# Altium PCB KlusterLab r2.0.PcbDoc (part 7 of 22)
Units mm, origin at the board's own origin, x right, y up, seen from the top; angles counter-clockwise.
Board outline 232 x 250 mm, 12 copper layers (L1 Top, L2 Inner1 (GND), L3 Inner2 (Sig), L4 Inner3 (GND), L5 Inner4 (PWR), L6 Inner5 (PWR), L7 Inner6 (PWR), L8 Inner7 (PWR), L9 Inner8 (GND), L10 Inner9 (Sig), L11 Inner10 (GND), L12 Bottom), stack 1.614 mm thick; 1169 components, 852 nets, 4679 pads, 5115 vias.
Unrouted connection lines stored in the file: 1.
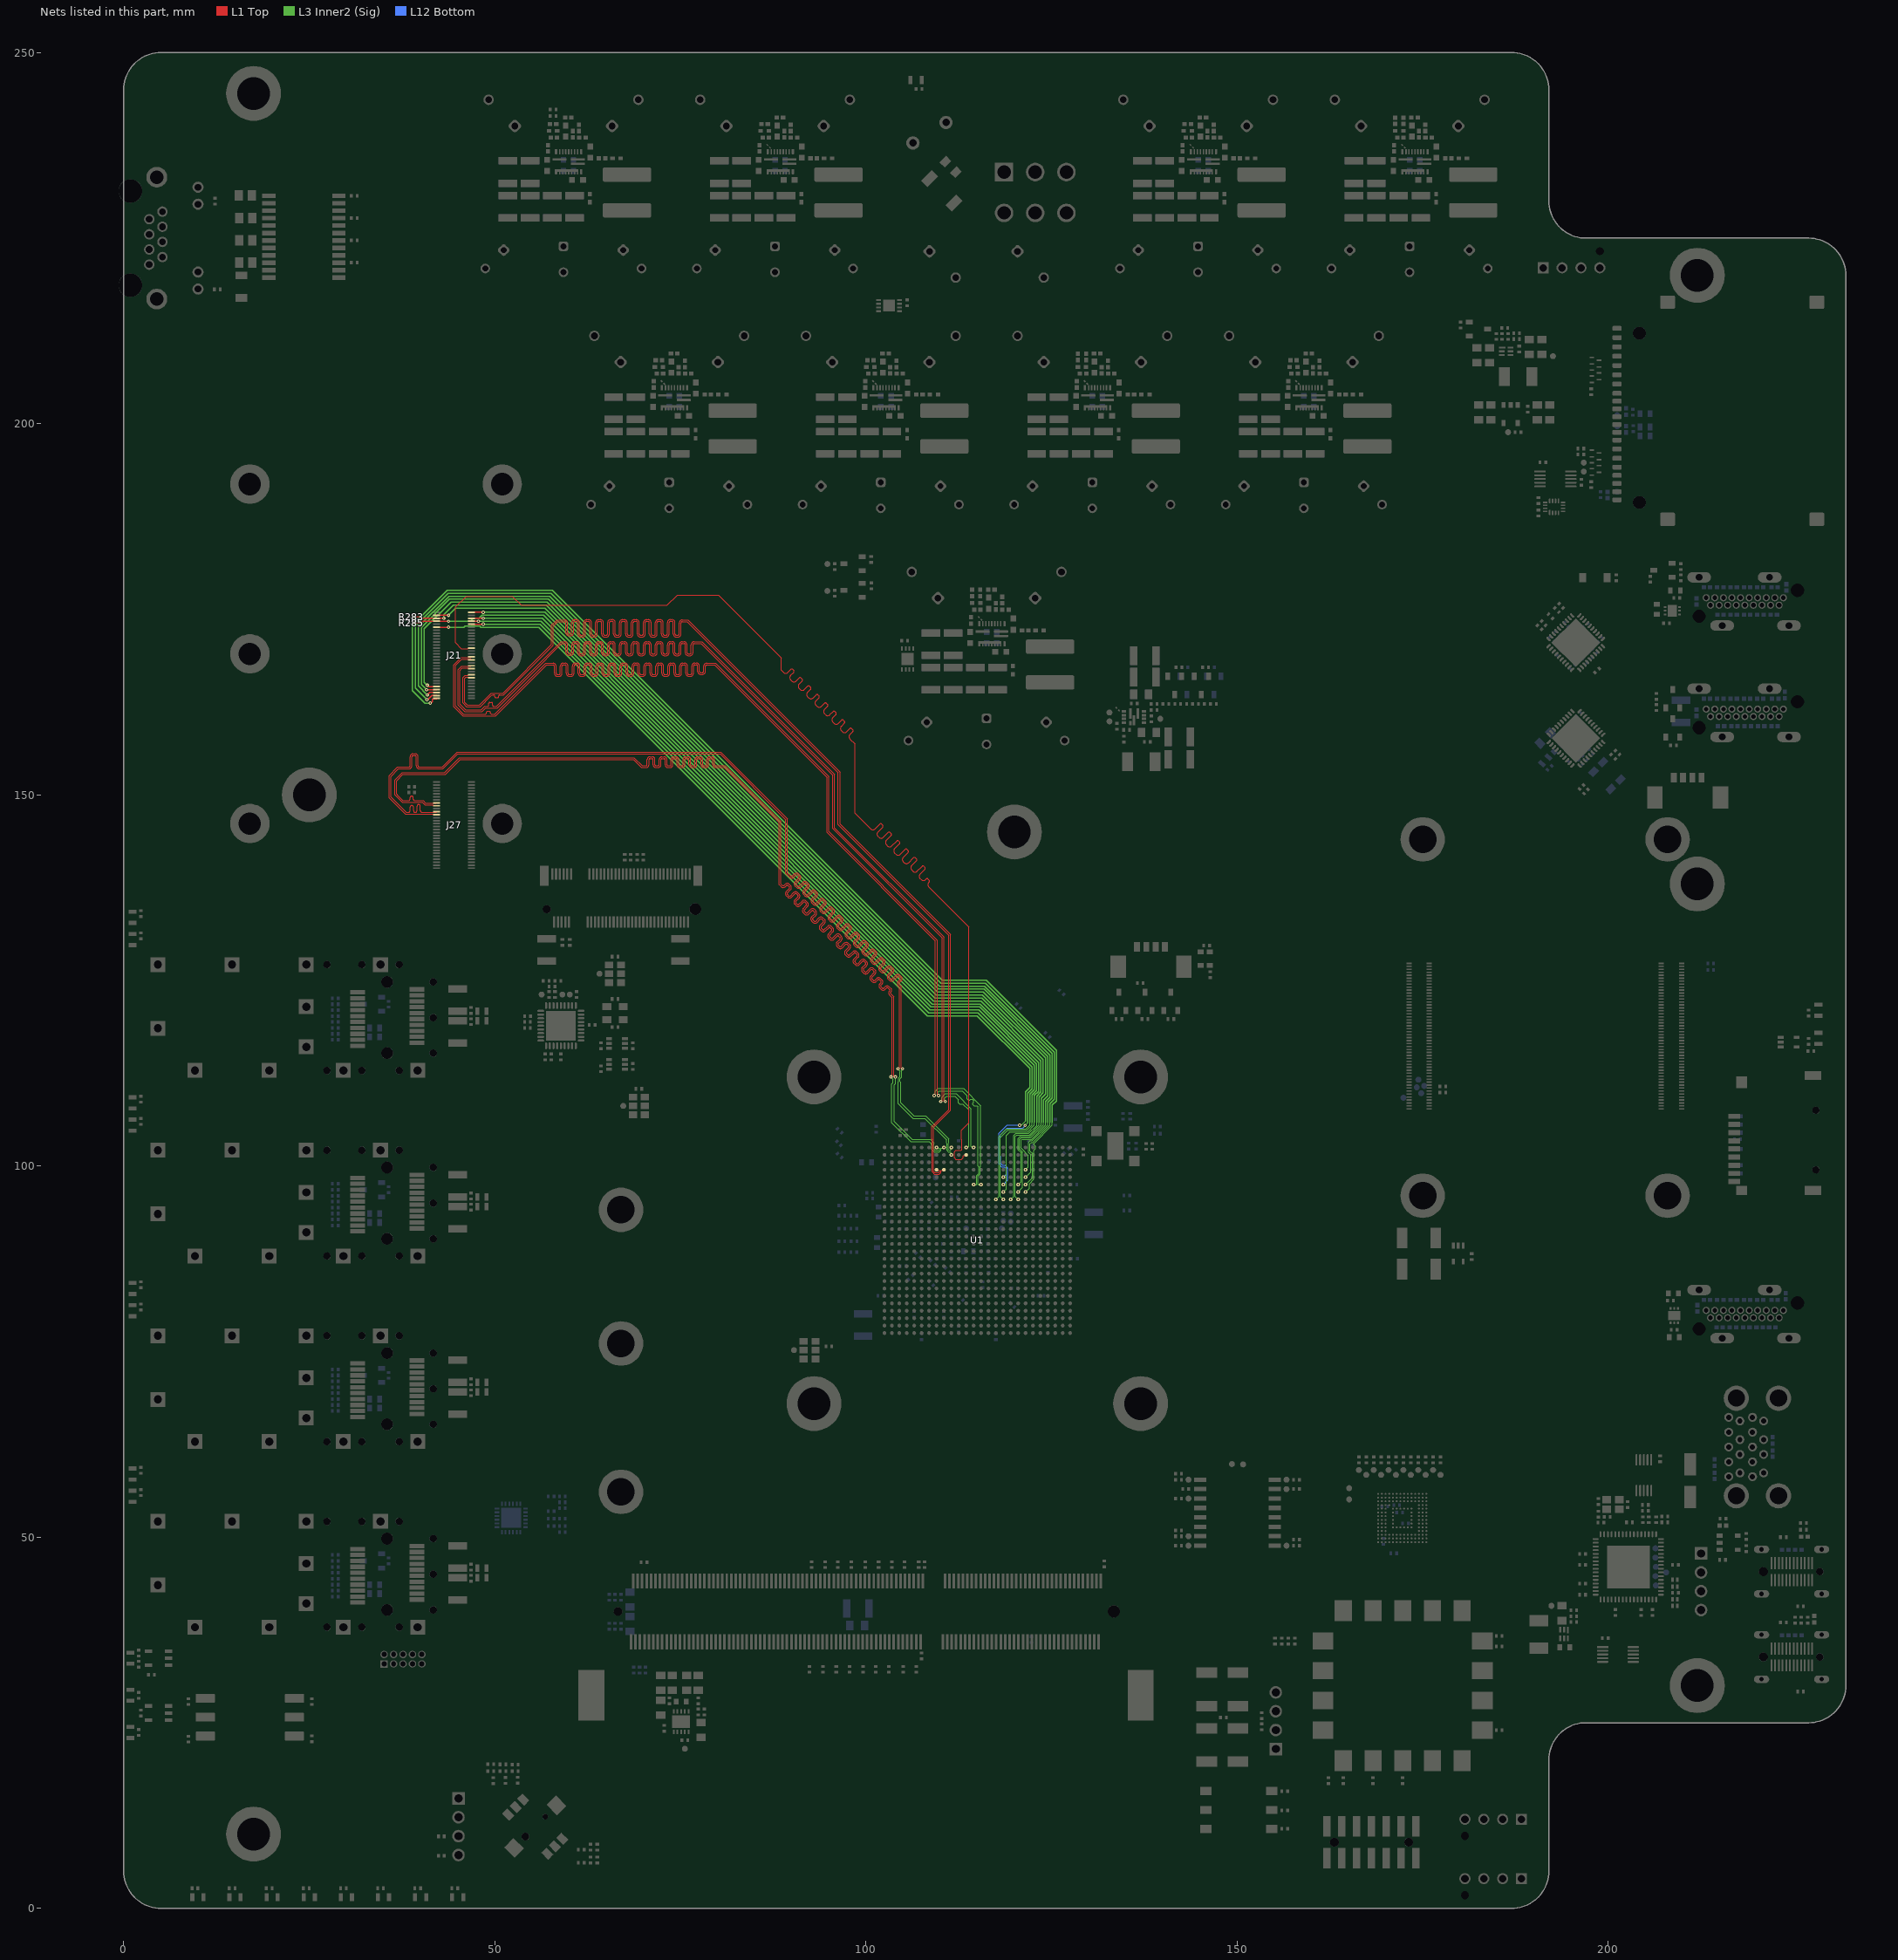
[diagram p17: the nets of this part, all layers, seen from the top]

## Via types
v1: diameter 0.45, hole 0.2, L1 Top to L12 Bottom, tented both sides, 4200 vias
v2: diameter 0.6, hole 0.3, L1 Top to L12 Bottom, tented both sides, 908 vias
v3: diameter 0.4, hole 0.2, L1 Top to L12 Bottom, tented both sides, 7 vias

## Nets (pads, with @x,y where several pads share a name; then routed paths per layer and width w, separated by ;. In a path a pad name is that pad's centre, name@x,y a point inside that pad or via, vN(x,y) a via of type N, cw(c..) or ccw(c..) an arc to the next point about the centre after c; other vN are vias at no path point) (continued)
CRUVI_A_8_P: J21.26 U1.B12 | length 168.3
  L1 Top w0.1: 112.88,103.579 112.9,103.559 112.9,102.2 112.8,102.1 112.117,102.1 111.9,101.883 111.9,101.117 112.117,100.9 112.883,100.9 113.1,101.117 113.1,101.365 113.159,101.423 113.423,101.423 U1.B12@113.5,101.5
  L1 Top w0.114: J21.26@46.835,169.79 46.777,169.732 46.382,169.732 46.36,169.71 45.469,169.71 44.7,170.479 44.7,175.297 46.162,176.759 52.356,176.759 53.562,175.553 73.228,175.553 74.584,176.909 80.125,176.909 88.576,168.458 88.576,166.808 88.766,166.618 88.891,166.494 ccw(c89.181,166.783) 89.471,166.493 89.872,166.894 cw(c89.991,166.774) 90.111,166.893 90.27,166.735 cw(c90.151,166.614) 90.271,166.495 89.847,166.072 ccw(c90.137,165.782) 89.847,165.492 90.007,165.333 ccw(c90.297,165.622) 90.587,165.333 ; 90.587,165.333 91.01,165.756 cw(c91.129,165.636) 91.249,165.755 91.408,165.597 cw(c91.289,165.477) 91.409,165.357 90.985,164.934 ccw(c91.275,164.644) 90.985,164.354 91.145,164.195 ccw(c91.435,164.485) 91.725,164.195 ; 91.725,164.195 92.148,164.618 cw(c92.267,164.498) 92.387,164.617 92.545,164.459 cw(c92.427,164.339) 92.547,164.219 92.123,163.796 ccw(c92.413,163.506) 92.123,163.216 92.283,163.057 ccw(c92.573,163.347) 92.862,163.057 ; 92.863,163.057 93.285,163.48 cw(c93.405,163.36) 93.525,163.48 93.683,163.321 ; 93.684,163.321 cw(c93.565,163.201) 93.684,163.082 93.261,162.658 ccw(c93.551,162.368) 93.261,162.078 93.421,161.919 ccw(c93.71,162.209) 94,161.919 ; 94.001,161.92 94.423,162.342 cw(c94.543,162.222) 94.663,162.342 94.821,162.183 ; 94.822,162.183 cw(c94.702,162.063) 94.822,161.944 94.399,161.52 ccw(c94.689,161.23) 94.399,160.941 94.558,160.781 ccw(c94.848,161.071) 95.138,160.781 ; 95.139,160.782 95.561,161.204 cw(c95.681,161.085) 95.801,161.204 95.959,161.045 ; 95.959,161.045 cw(c95.84,160.925) 95.96,160.806 95.537,160.382 ccw(c95.827,160.093) 95.537,159.803 95.696,159.643 ccw(c95.986,159.933) 96.276,159.643 ; 96.277,159.644 96.699,160.066 cw(c96.819,159.947) 96.939,160.066 97.097,159.908 ; 97.097,159.907 cw(c96.978,159.787) 97.098,159.668 96.675,159.245 ccw(c96.965,158.955) 96.675,158.665 96.834,158.505 ccw(c97.124,158.795) 97.414,158.505 ; 97.414,158.506 97.837,158.928 cw(c97.957,158.809) 98.077,158.928 98.235,158.77 ; 98.235,158.769 cw(c98.116,158.649) 98.236,158.53 97.835,158.129 ccw(c98.125,157.839) 97.836,157.549 98.509,156.875 98.509,156.75 98.509,147.554 100.512,145.551 100.637,145.426 ccw(c100.927,145.716) 101.217,145.426 101.861,146.069 ; 101.861,146.07 cw(c101.981,145.95) 102.1,146.07 102.26,145.91 cw(c102.14,145.791) 102.26,145.671 101.564,144.976 101.564,144.971 ccw(c101.889,144.721) 101.6,144.431 101.759,144.272 ccw(c102.049,144.562) 102.339,144.272 102.999,144.932 ; 102.999,144.932 cw(c103.119,144.812) 103.238,144.932 103.398,144.773 cw(c103.278,144.653) 103.398,144.533 102.702,143.838 102.702,143.833 ccw(c103.027,143.583) 102.738,143.293 102.896,143.134 ccw(c103.187,143.424) 103.477,143.134 104.136,143.794 ; 104.137,143.794 cw(c104.257,143.675) 104.376,143.794 104.536,143.635 cw(c104.416,143.515) 104.536,143.395 103.84,142.7 103.84,142.695 ccw(c104.165,142.445) 103.876,142.155 104.034,141.997 ccw(c104.325,142.286) 104.615,141.996 105.274,142.656 ; 105.275,142.656 cw(c105.394,142.537) 105.514,142.656 105.673,142.497 cw(c105.554,142.377) 105.673,142.258 104.978,141.562 104.978,141.557 ccw(c105.303,141.307) 105.014,141.017 105.172,140.859 ccw(c105.463,141.148) 105.752,140.858 106.412,141.518 ; 106.413,141.518 cw(c106.532,141.399) 106.652,141.518 106.811,141.359 cw(c106.692,141.239) 106.811,141.12 106.116,140.424 106.116,140.419 ccw(c106.441,140.17) 106.152,139.879 106.31,139.721 ccw(c106.6,140.01) 106.89,139.72 107.55,140.38 ; 107.551,140.381 cw(c107.67,140.261) 107.79,140.381 107.949,140.221 cw(c107.83,140.101) 107.949,139.982 107.254,139.286 107.254,139.281 ccw(c107.579,139.032) 107.289,138.741 107.448,138.583 ccw(c107.738,138.872) 108.028,138.582 108.11,138.664 cw(c108.23,138.545) 108.349,138.664 108.509,138.505 cw(c108.389,138.385) 108.509,138.266 108.443,138.2 ccw(c108.733,137.91) 108.444,137.62 109.969,136.094 113.853,132.21 113.853,112 113.853,105.793 112.88,104.82 112.88,103.579
CRUVI_A_9_N: J21.34 U1.F13 | length 169.3
  L1 Top w0.114: J21.34@46.835,168.19 46.777,168.248 46.382,168.248 46.36,168.27 45.54,168.27 44.7,167.429 44.7,161.963 45.788,160.875 48.558,160.875 48.778,160.875 48.881,160.978 48.881,161.167 48.983,161.27 49.292,161.27 49.395,161.167 49.395,160.978 49.497,160.875 50.022,160.875 50.068,160.921 56.868,167.721 56.872,167.725 57.85,167.725 cw(c57.85,167.315) 58.26,167.315 58.26,166.379 ccw(c58.429,166.379) 58.429,166.21 58.655,166.21 ccw(c58.655,166.379) 58.824,166.379 58.824,167.339 cw(c59.234,167.339) 59.234,167.749 59.459,167.749 cw(c59.459,167.339) 59.869,167.339 59.869,166.379 ccw(c60.039,166.379) 60.039,166.21 60.264,166.21 ccw(c60.264,166.379) 60.433,166.379 60.433,167.339 cw(c60.843,167.339) 60.843,167.749 61.069,167.749 cw(c61.069,167.339) 61.479,167.339 61.479,166.379 ccw(c61.648,166.379) 61.648,166.21 61.873,166.21 ccw(c61.873,166.379) 62.042,166.379 62.042,167.339 cw(c62.452,167.339) 62.452,167.749 62.678,167.749 cw(c62.678,167.339) 63.088,167.339 63.088,166.379 ccw(c63.257,166.379) 63.257,166.21 63.482,166.21 ccw(c63.482,166.379) 63.652,166.379 63.652,167.339 cw(c64.062,167.339) 64.062,167.749 64.287,167.749 cw(c64.287,167.339) 64.697,167.339 64.697,166.379 ccw(c64.866,166.379) 64.866,166.21 65.092,166.21 ccw(c65.092,166.379) 65.261,166.379 65.261,167.339 cw(c65.671,167.339) 65.671,167.749 65.896,167.749 cw(c65.896,167.339) 66.306,167.339 66.306,166.379 ccw(c66.475,166.379) 66.475,166.21 66.701,166.21 ccw(c66.701,166.379) 66.87,166.379 66.87,167.339 cw(c67.28,167.339) 67.28,167.749 67.505,167.749 cw(c67.505,167.339) 67.915,167.339 67.915,166.379 ccw(c68.084,166.379) 68.084,166.21 68.31,166.21 ccw(c68.31,166.379) 68.479,166.379 68.479,167.339 cw(c68.889,167.339) 68.889,167.749 69.115,167.749 cw(c69.115,167.339) 69.525,167.339 69.525,166.379 ccw(c69.694,166.379) 69.694,166.21 69.919,166.21 ccw(c69.919,166.379) 70.088,166.379 70.088,167.339 cw(c70.498,167.339) 70.498,167.749 70.724,167.749 cw(c70.724,167.339) 71.134,167.339 71.134,166.379 ccw(c71.303,166.379) 71.303,166.21 71.528,166.21 ccw(c71.528,166.379) 71.698,166.379 71.698,167.339 cw(c72.107,167.339) 72.107,167.749 72.333,167.749 cw(c72.333,167.339) 72.743,167.339 72.743,166.379 ccw(c72.912,166.379) 72.912,166.21 73.138,166.21 ccw(c73.138,166.379) 73.307,166.379 73.307,167.339 cw(c73.717,167.339) 73.717,167.749 73.942,167.749 cw(c73.942,167.339) 74.352,167.339 74.352,166.379 ccw(c74.521,166.379) 74.521,166.21 74.747,166.21 ccw(c74.747,166.379) 74.916,166.379 74.916,167.339 cw(c75.326,167.339) 75.326,167.749 75.551,167.749 cw(c75.551,167.339) 75.961,167.339 75.961,166.379 ccw(c76.13,166.379) 76.13,166.21 76.356,166.21 ccw(c76.356,166.379) 76.525,166.379 76.525,167.339 cw(c76.935,167.339) 76.935,167.749 77.161,167.749 cw(c77.161,167.339) 77.571,167.339 77.571,166.644 ccw(c77.74,166.644) 77.74,166.475 77.965,166.475 ccw(c77.965,166.644) 78.134,166.644 78.134,167.315 cw(c78.544,167.315) 78.544,167.725 79.403,167.725 79.729,167.725 95,152.454 95,145.04 109.594,130.446 ; v1@109.6,109.481 109.6,130.446
  L3 Inner2 (Sig) w0.1: v1(109.782,109.5) 109.782,109.595 109.647,109.73 109.647,109.9 109.847,110.1 113,110.1 113.2,109.9 113.624,109.476 113.624,109.281 113.6,109.257 113.6,109.063 113.795,108.868 113.989,108.868 114.105,108.984 114.3,108.984 114.494,108.79 114.494,108.595 114.378,108.479 114.378,108.285 114.572,108.09 114.767,108.09 114.791,108.115 114.985,108.115 115.084,108.016 115.12,107.98 115.12,99.98 115.2,99.9 115.2,99.013 114.9,98.713 114.9,97.559 114.841,97.5 v1(114.5,97.5) v1@114.567,97.433
CRUVI_A_9_P: J21.32 U1.F14 | length 169.2
  L1 Top w0.114: J21.32@46.835,168.59 46.777,168.532 46.382,168.532 46.36,168.51 45.44,168.51 44.459,167.529 44.459,161.863 45.689,160.634 50.121,160.634 56.868,167.381 56.972,167.484 57.85,167.484 cw(c57.85,167.315) 58.019,167.315 58.019,166.379 ccw(c58.429,166.379) 58.429,165.969 58.655,165.969 ccw(c58.655,166.379) 59.065,166.379 59.065,167.339 cw(c59.234,167.339) 59.234,167.508 59.459,167.508 cw(c59.459,167.339) 59.629,167.339 59.629,166.379 ccw(c60.039,166.379) 60.039,165.969 60.264,165.969 ccw(c60.264,166.379) 60.674,166.379 60.674,167.339 cw(c60.843,167.339) 60.843,167.508 61.069,167.508 cw(c61.069,167.339) 61.238,167.339 61.238,166.379 ccw(c61.648,166.379) 61.648,165.969 61.873,165.969 ccw(c61.873,166.379) 62.283,166.379 62.283,167.339 cw(c62.452,167.339) 62.452,167.508 62.678,167.508 cw(c62.678,167.339) 62.847,167.339 62.847,166.379 ccw(c63.257,166.379) 63.257,165.969 63.482,165.969 ccw(c63.482,166.379) 63.892,166.379 63.892,167.339 cw(c64.062,167.339) 64.062,167.508 64.287,167.508 cw(c64.287,167.339) 64.456,167.339 64.456,166.379 ccw(c64.866,166.379) 64.866,165.969 65.092,165.969 ccw(c65.092,166.379) 65.502,166.379 65.502,167.339 cw(c65.671,167.339) 65.671,167.508 65.896,167.508 cw(c65.896,167.339) 66.065,167.339 66.065,166.379 ccw(c66.475,166.379) 66.475,165.969 66.701,165.969 ccw(c66.701,166.379) 67.111,166.379 67.111,167.339 cw(c67.28,167.339) 67.28,167.508 67.505,167.508 cw(c67.505,167.339) 67.675,167.339 67.675,166.379 ccw(c68.084,166.379) 68.084,165.969 68.31,165.969 ccw(c68.31,166.379) 68.72,166.379 68.72,167.339 cw(c68.889,167.339) 68.889,167.508 69.115,167.508 cw(c69.115,167.339) 69.284,167.339 69.284,166.379 ccw(c69.694,166.379) 69.694,165.969 69.919,165.969 ccw(c69.919,166.379) 70.329,166.379 70.329,167.339 cw(c70.498,167.339) 70.498,167.508 70.724,167.508 cw(c70.724,167.339) 70.893,167.339 70.893,166.379 ccw(c71.303,166.379) 71.303,165.969 71.528,165.969 ccw(c71.528,166.379) 71.938,166.379 71.938,167.339 cw(c72.107,167.339) 72.107,167.508 72.333,167.508 cw(c72.333,167.339) 72.502,167.339 72.502,166.379 ccw(c72.912,166.379) 72.912,165.969 73.138,165.969 ccw(c73.138,166.379) 73.548,166.379 73.548,167.339 cw(c73.717,167.339) 73.717,167.508 73.942,167.508 cw(c73.942,167.339) 74.111,167.339 74.111,166.379 ccw(c74.521,166.379) 74.521,165.969 74.747,165.969 ccw(c74.747,166.379) 75.157,166.379 75.157,167.339 cw(c75.326,167.339) 75.326,167.508 75.551,167.508 cw(c75.551,167.339) 75.721,167.339 75.721,166.379 ccw(c76.13,166.379) 76.13,165.969 76.356,165.969 ccw(c76.356,166.379) 76.766,166.379 76.766,167.339 cw(c76.935,167.339) 76.935,167.508 77.161,167.508 cw(c77.161,167.339) 77.33,167.339 77.33,166.644 ccw(c77.74,166.644) 77.74,166.234 77.965,166.234 ccw(c77.965,166.644) 78.375,166.644 78.375,167.315 cw(c78.544,167.315) 78.544,167.484 79.403,167.484 79.629,167.484 94.759,152.354 94.759,144.94 109.353,130.346 109.353,116.2 109.353,112.2 v1@109.353,109.5
  L3 Inner2 (Sig) w0.1: v1(109.182,109.5) 109.182,109.595 109.317,109.73 109.317,110.037 109.711,110.43 113.137,110.43 115.45,108.117 115.45,99.95 115.4,99.9 115.4,98.93 115.1,98.63 115.1,97.559 115.159,97.5 v1(115.5,97.5)
CRUVI_A_10_N: J21.40 U1.A12 | length 159.8
  L1 Top w0.114: J21.40@46.835,166.99 46.777,167.048 46.382,167.048 46.36,167.07 45.6,167.07 45.3,166.77 45.3,162.211 46.037,161.475 48.2,161.475 48.65,161.925 48.797,161.925 49.039,161.925 ccw(c49.039,162.079) 49.193,162.079 49.193,162.313 cw(c49.347,162.313) 49.347,162.467 49.553,162.467 cw(c49.553,162.313) 49.707,162.313 49.707,162.079 ccw(c49.861,162.079) 49.861,161.925 50.224,161.925 50.355,162.056 55.189,166.891 58.596,170.298 58.924,170.625 59.391,170.625 cw(c59.391,170.215) 59.801,170.215 59.801,169.233 ccw(c59.97,169.233) 59.97,169.064 60.195,169.064 ccw(c60.195,169.233) 60.365,169.233 60.365,170.225 cw(c60.774,170.225) 60.774,170.635 61,170.635 cw(c61,170.225) 61.41,170.225 61.41,169.17 ccw(c61.579,169.17) 61.579,169 61.805,169 ccw(c61.805,169.17) 61.974,169.17 61.974,170.225 cw(c62.384,170.225) 62.384,170.635 62.609,170.635 cw(c62.609,170.225) 63.019,170.225 63.019,169.17 ccw(c63.188,169.17) 63.188,169 63.414,169 ccw(c63.414,169.17) 63.583,169.17 63.583,170.225 cw(c63.993,170.225) 63.993,170.635 64.218,170.635 cw(c64.218,170.225) 64.628,170.225 64.628,169.17 ccw(c64.797,169.17) 64.797,169 65.023,169 ccw(c65.023,169.17) 65.192,169.17 65.192,170.225 cw(c65.602,170.225) 65.602,170.635 65.828,170.635 cw(c65.828,170.225) 66.238,170.225 66.238,169.17 ccw(c66.407,169.17) 66.407,169 66.632,169 ccw(c66.632,169.17) 66.801,169.17 66.801,170.225 cw(c67.211,170.225) 67.211,170.635 67.437,170.635 cw(c67.437,170.225) 67.847,170.225 67.847,169.17 ccw(c68.016,169.17) 68.016,169 68.241,169 ccw(c68.241,169.17) 68.411,169.17 68.411,170.225 cw(c68.82,170.225) 68.82,170.635 69.046,170.635 cw(c69.046,170.225) 69.456,170.225 69.456,169.17 ccw(c69.625,169.17) 69.625,169 69.851,169 ccw(c69.851,169.17) 70.02,169.17 70.02,170.225 cw(c70.43,170.225) 70.43,170.635 70.655,170.635 cw(c70.655,170.225) 71.065,170.225 71.065,169.17 ccw(c71.234,169.17) 71.234,169 71.46,169 ccw(c71.46,169.17) 71.629,169.17 71.629,170.225 cw(c72.039,170.225) 72.039,170.635 72.264,170.635 cw(c72.264,170.225) 72.674,170.225 72.674,169.17 ccw(c72.843,169.17) 72.843,169 73.069,169 ccw(c73.069,169.17) 73.238,169.17 73.238,170.225 cw(c73.648,170.225) 73.648,170.635 73.874,170.635 cw(c73.874,170.225) 74.283,170.225 74.283,169.17 ccw(c74.453,169.17) 74.453,169 74.678,169 ccw(c74.678,169.17) 74.847,169.17 74.847,170.225 cw(c75.257,170.225) 75.257,170.635 75.483,170.635 cw(c75.483,170.225) 75.893,170.225 75.893,169.17 ccw(c76.062,169.17) 76.062,169 76.287,169 ccw(c76.287,169.17) 76.456,169.17 76.456,170.215 cw(c76.866,170.215) 76.866,170.625 77.044,170.625 77.889,170.625 95.75,152.764 95.75,145.563 110.494,130.819 v1@110.494,108.7
  L3 Inner2 (Sig) w0.1: v1(110.682,108.7) 110.682,108.795 110.547,108.93 110.547,109.1 110.847,109.4 112,109.4 112.045,109.355 112.469,108.931 112.469,108.736 112.439,108.706 112.439,108.512 112.634,108.317 112.828,108.317 112.858,108.347 113.053,108.347 113.781,107.619 113.835,107.565 113.835,102.626 113.776,102.567 113.567,102.567 v1(113.5,102.5)
CRUVI_A_10_P: J21.38 U1.A13 | length 160.2
  L1 Top w0.114: J21.38@46.835,167.39 46.777,167.332 46.382,167.332 46.36,167.31 45.5,167.31 45.059,166.87 45.059,162.112 45.937,161.234 48.299,161.234 48.752,161.687 50.326,161.687 55.43,166.791 58.596,169.957 59.023,170.384 59.391,170.384 cw(c59.391,170.215) 59.56,170.215 59.56,169.233 ccw(c59.97,169.233) 59.97,168.823 60.195,168.823 ccw(c60.195,169.233) 60.605,169.233 60.605,170.225 cw(c60.774,170.225) 60.774,170.394 61,170.394 cw(c61,170.225) 61.169,170.225 61.169,169.17 ccw(c61.579,169.17) 61.579,168.76 61.805,168.76 ccw(c61.805,169.17) 62.215,169.17 62.215,170.225 cw(c62.384,170.225) 62.384,170.394 62.609,170.394 cw(c62.609,170.225) 62.778,170.225 62.778,169.17 ccw(c63.188,169.17) 63.188,168.76 63.414,168.76 ccw(c63.414,169.17) 63.824,169.17 63.824,170.225 cw(c63.993,170.225) 63.993,170.394 64.218,170.394 cw(c64.218,170.225) 64.388,170.225 64.388,169.17 ccw(c64.797,169.17) 64.797,168.76 65.023,168.76 ccw(c65.023,169.17) 65.433,169.17 65.433,170.225 cw(c65.602,170.225) 65.602,170.394 65.828,170.394 cw(c65.828,170.225) 65.997,170.225 65.997,169.17 ccw(c66.407,169.17) 66.407,168.76 66.632,168.76 ccw(c66.632,169.17) 67.042,169.17 67.042,170.225 cw(c67.211,170.225) 67.211,170.394 67.437,170.394 cw(c67.437,170.225) 67.606,170.225 67.606,169.17 ccw(c68.016,169.17) 68.016,168.76 68.241,168.76 ccw(c68.241,169.17) 68.651,169.17 68.651,170.225 cw(c68.82,170.225) 68.82,170.394 69.046,170.394 cw(c69.046,170.225) 69.215,170.225 69.215,169.17 ccw(c69.625,169.17) 69.625,168.76 69.851,168.76 ccw(c69.851,169.17) 70.26,169.17 70.26,170.225 cw(c70.43,170.225) 70.43,170.394 70.655,170.394 cw(c70.655,170.225) 70.824,170.225 70.824,169.17 ccw(c71.234,169.17) 71.234,168.76 71.46,168.76 ccw(c71.46,169.17) 71.87,169.17 71.87,170.225 cw(c72.039,170.225) 72.039,170.394 72.264,170.394 cw(c72.264,170.225) 72.433,170.225 72.433,169.17 ccw(c72.843,169.17) 72.843,168.76 73.069,168.76 ccw(c73.069,169.17) 73.479,169.17 73.479,170.225 cw(c73.648,170.225) 73.648,170.394 73.874,170.394 cw(c73.874,170.225) 74.043,170.225 74.043,169.17 ccw(c74.453,169.17) 74.453,168.76 74.678,168.76 ccw(c74.678,169.17) 75.088,169.17 75.088,170.225 cw(c75.257,170.225) 75.257,170.394 75.483,170.394 cw(c75.483,170.225) 75.652,170.225 75.652,169.17 ccw(c76.062,169.17) 76.062,168.76 76.287,168.76 ccw(c76.287,169.17) 76.697,169.17 76.697,170.215 cw(c76.866,170.215) 76.866,170.384 77.044,170.384 77.79,170.384 95.509,152.665 95.509,145.463 110.253,130.719 v1@110.253,108.7
  L3 Inner2 (Sig) w0.1: v1(110.082,108.7) 110.082,108.795 110.217,108.93 110.217,109.237 110.711,109.73 112.137,109.73 114.165,107.702 114.165,102.626 114.224,102.567 114.433,102.567 v1(114.5,102.5)
CRUVI_A_11_N: J21.46 U1.D8 | length 168.4
  L1 Top w0.1: 109.12,103.62 109.1,103.6 109.1,99.3 109.3,99.1 109.8,99.1 109.9,99.2 109.9,99.365 109.841,99.423 109.577,99.423 U1.D8@109.5,99.5
  L1 Top w0.114: J21.46@46.835,165.79 46.777,165.848 46.382,165.848 46.36,165.87 46.1,165.87 45.935,165.705 45.935,162.475 46.3,162.11 47.935,162.11 49.536,163.711 51.096,163.711 57.634,170.25 57.634,172.838 58.371,173.575 58.786,173.575 59.386,173.575 cw(c59.386,173.165) 59.796,173.165 59.796,171.853 ccw(c59.965,171.853) 59.965,171.684 60.191,171.684 ccw(c60.191,171.853) 60.36,171.853 60.36,173.188 cw(c60.77,173.188) 60.77,173.598 60.995,173.598 cw(c60.995,173.188) 61.405,173.188 61.405,171.687 ccw(c61.574,171.687) 61.574,171.518 61.8,171.518 ccw(c61.8,171.687) 61.969,171.687 61.969,173.188 cw(c62.379,173.188) 62.379,173.598 62.605,173.598 cw(c62.605,173.188) 63.014,173.188 63.014,171.687 ccw(c63.184,171.687) 63.184,171.518 63.409,171.518 ccw(c63.409,171.687) 63.578,171.687 63.578,173.188 cw(c63.988,173.188) 63.988,173.598 64.214,173.598 cw(c64.214,173.188) 64.624,173.188 64.624,171.687 ccw(c64.793,171.687) 64.793,171.518 65.018,171.518 ccw(c65.018,171.687) 65.187,171.687 65.187,173.188 cw(c65.597,173.188) 65.597,173.598 65.823,173.598 cw(c65.823,173.188) 66.233,173.188 66.233,171.687 ccw(c66.402,171.687) 66.402,171.518 66.627,171.518 ccw(c66.627,171.687) 66.797,171.687 66.797,173.188 cw(c67.207,173.188) 67.207,173.598 67.432,173.598 cw(c67.432,173.188) 67.842,173.188 67.842,171.687 ccw(c68.011,171.687) 68.011,171.518 68.237,171.518 ccw(c68.237,171.687) 68.406,171.687 68.406,173.188 cw(c68.816,173.188) 68.816,173.598 69.041,173.598 cw(c69.041,173.188) 69.451,173.188 69.451,171.687 ccw(c69.62,171.687) 69.62,171.518 69.846,171.518 ccw(c69.846,171.687) 70.015,171.687 70.015,173.188 cw(c70.425,173.188) 70.425,173.598 70.65,173.598 cw(c70.65,173.188) 71.06,173.188 71.06,171.687 ccw(c71.23,171.687) 71.23,171.518 71.455,171.518 ccw(c71.455,171.687) 71.624,171.687 71.624,173.188 cw(c72.034,173.188) 72.034,173.598 72.26,173.598 cw(c72.26,173.188) 72.67,173.188 72.67,171.687 ccw(c72.839,171.687) 72.839,171.518 73.064,171.518 ccw(c73.064,171.687) 73.233,171.687 73.233,173.188 cw(c73.643,173.188) 73.643,173.598 73.869,173.598 cw(c73.869,173.188) 74.279,173.188 74.279,171.687 ccw(c74.448,171.687) 74.448,171.518 74.673,171.518 ccw(c74.673,171.687) 74.843,171.687 74.843,173.165 cw(c75.253,173.165) 75.253,173.575 75.43,173.575 76,173.575 96.5,153.075 96.5,146.085 111.394,131.192 111.394,107.494 109.12,105.22 109.12,103.62